# Altium PCB B0621_T01_V1.0.PcbDoc (part 2 of 2)
Units mm, origin at the board's own origin, x right, y up, seen from the top; angles counter-clockwise.
Board outline 42.07 x 60.08 mm, 4 copper layers (Top Layer, MidLayer1, MidLayer2, Bottom Layer); 173 components, 119 nets, 696 pads, 191 vias.
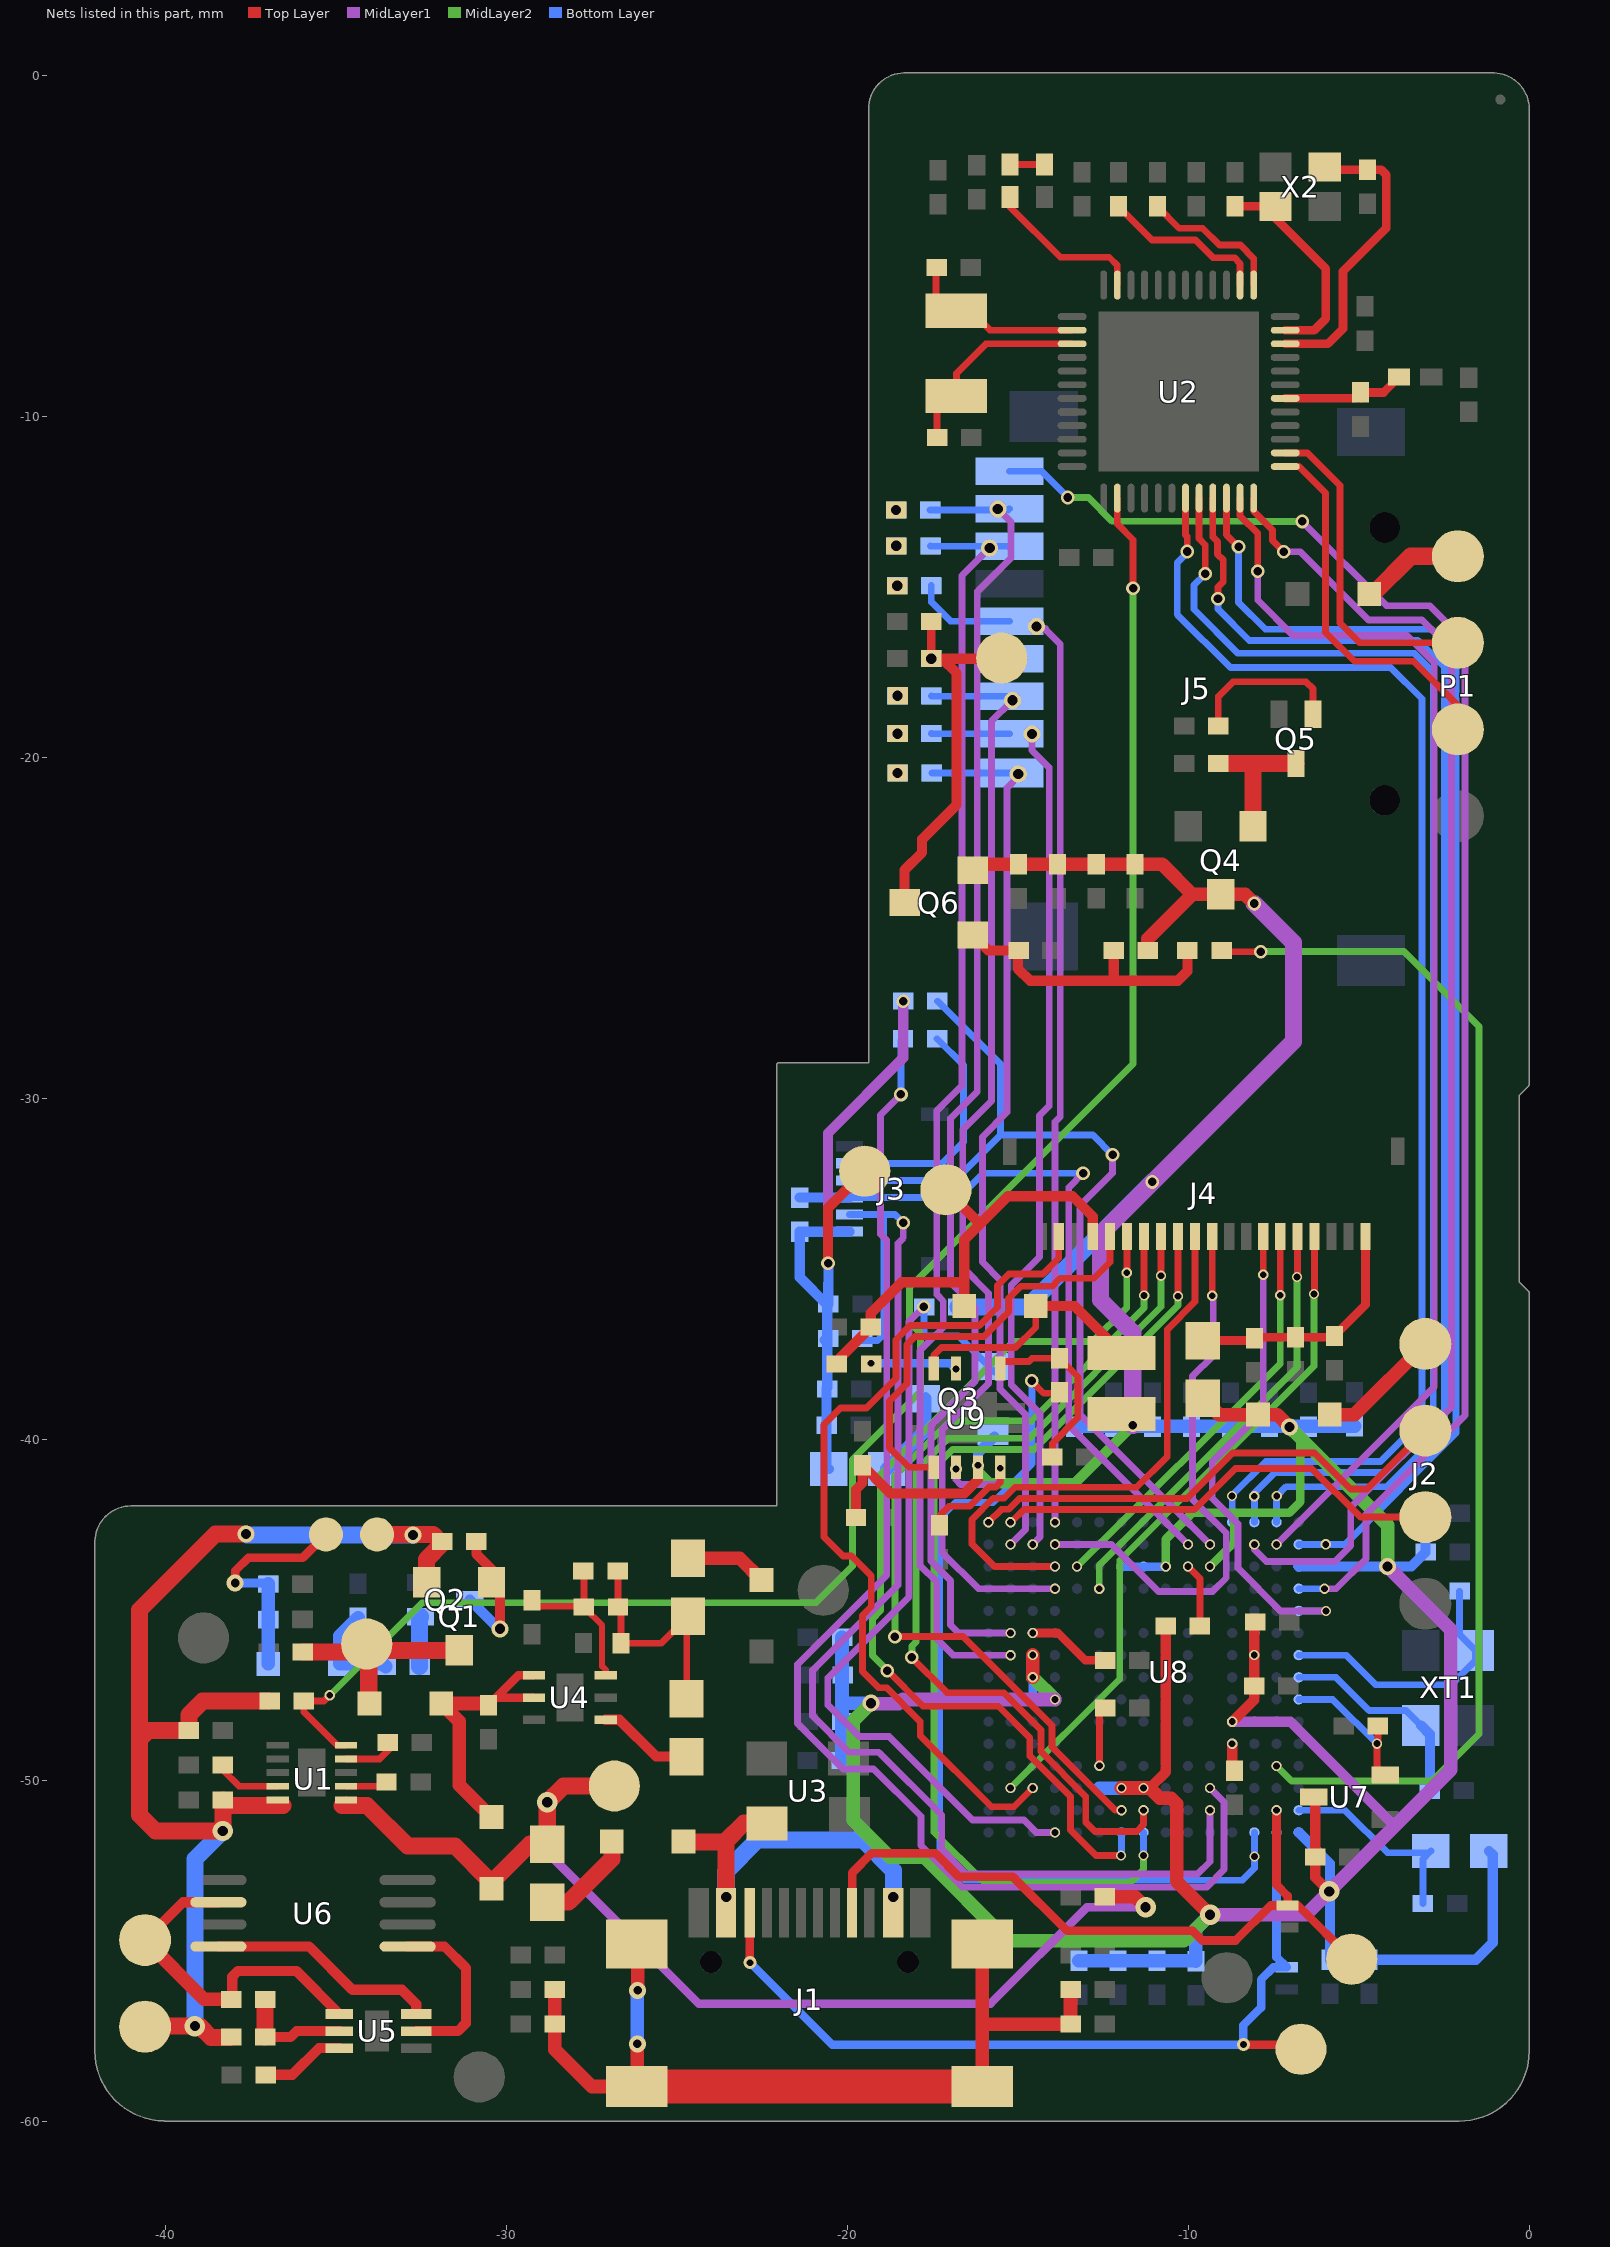
[diagram p4: the nets of this part, all layers, seen from the top]

## Via types
v1: diameter 0.3, hole 0.2, Top Layer to Bottom Layer, 76 vias
v2: diameter 0.5, hole 0.3, Top Layer to Bottom Layer, 56 vias
v3: diameter 0.4, hole 0.25, Top Layer to Bottom Layer, 32 vias
v4: diameter 0.6, hole 0.3, Top Layer to Bottom Layer, 11 vias
v5: diameter 0.5, hole 0.25, Top Layer to Bottom Layer, 6 vias
v6: diameter 0.38, hole 0.2, Top Layer to Bottom Layer, 5 vias
v7: diameter 0.35, hole 0.2, Top Layer to Bottom Layer, 2 vias
v8: diameter 0.5, hole 0.2, Top Layer to Bottom Layer, 2 vias
v9: diameter 0.4, hole 0.3, Top Layer to Bottom Layer, 1 vias

## Nets (pads, with @x,y where several pads share a name; then routed paths per layer and width w, separated by ;. In a path a pad name is that pad's centre, name@x,y a point inside that pad or via, vN(x,y) a via of type N, cw(c..) or ccw(c..) an arc to the next point about the centre after c; other vN are vias at no path point) (continued)
LCD_DB2: J4.10 U8.B12 | length 16.4
  Top Layer w0.2: J4.10@-9.3,-34.049 -9.297,-34.051 v1(-9.297,-35.783)
  MidLayer1 w0.2: v1(-13.911,-43.076) -12.257,-43.076 -10.877,-44.456 -9.285,-44.456 -8.886,-44.058 -8.886,-42.745 -9.873,-41.759 -9.873,-38.142 -9.266,-37.535 -9.266,-35.815 v1(-9.297,-35.783)
LCD_DB3: J4.11 U8.C12 | length 16.7
  Top Layer w0.2: v1(-13.911,-43.727) -15.687,-43.727 -16.342,-43.073 -16.342,-42.343 -15.723,-41.724 -15.41,-41.724 -15.088,-41.402 -11.516,-41.402 -10.616,-40.501 -10.616,-36.769 -9.804,-35.957 -9.804,-34.053 J4.11@-9.8,-34.049
LCD_DB4: J4.12 U8.R8 | length 29.8
  Top Layer w0.2: v1(-10.302,-35.8) -10.302,-34.051 J4.12@-10.3,-34.049
  MidLayer2 w0.2: v1(-11.31,-52.207) -11.31,-52.614 -11.683,-52.987 -15.998,-52.987 -17.464,-51.521 -17.464,-40.841 -16.914,-40.291 -14.524,-40.291 -10.302,-36.07 v1(-10.302,-35.8)
  Bottom Layer w0.2: U8.R8@-11.312,-51.527 -11.312,-52.205 v1(-11.31,-52.207)
LCD_DB5: J4.13 U8.P8 | length 27
  Top Layer w0.2: v3@-18.117,-46.395 -17.084,-47.428 -15.42,-47.428 -14.324,-48.524 -14.324,-49.153 -13.009,-50.468 -13.009,-51.22 -12.733,-51.496 -11.512,-51.496 -11.312,-51.296 v1(-11.312,-50.876) ; J4.13@-10.8,-34.049 -10.798,-34.05 v1(-10.798,-35.198)
  MidLayer2 w0.2: v3(-18.107,-46.385) -18.107,-46.058 -17.991,-45.942 -17.991,-40.908 -17.049,-39.966 -14.658,-39.966 -10.798,-36.106 v1(-10.798,-35.198)
LCD_DB6: J4.14 U8.P9 | length 25.4
  Top Layer w0.2: v3@-18.635,-45.813 v3@-18.605,-45.813 ; v3(-18.605,-45.783) -16.605,-45.783 -13.999,-48.389 -13.999,-49.018 -12.139,-50.878 v1(-11.961,-50.878) ; J4.14@-11.3,-34.049 -11.3,-35.768 v1(-11.295,-35.773)
  MidLayer2 w0.2: v3@-18.635,-45.813 v3(-18.605,-45.783) -18.605,-41.063 -16.997,-39.455 -14.607,-39.455 -11.295,-36.143 v1(-11.295,-35.773)
LCD_DB7: J4.15 U8.R9 | length 28
  Top Layer w0.2: v3(-18.829,-46.779) -17.783,-47.825 -15.574,-47.825 -14.649,-48.75 -14.649,-49.287 -13.459,-50.477 -13.459,-51.454 -12.706,-52.207 v1(-11.971,-52.207) ; v1(-11.803,-35.107) -11.8,-35.104 J4.15@-11.8,-34.049
  MidLayer2 w0.2: v3(-18.829,-46.779) -19.268,-46.341 -19.268,-45.259 -19.027,-45.019 -19.027,-41.026 -15.128,-37.126 -12.804,-37.126 -11.803,-36.125 v1(-11.803,-35.107)
  Bottom Layer w0.2: v1(-11.971,-52.207) -11.962,-52.198 U8.R9@-11.962,-51.527
LCD_FMARK: J4.19 U8.N13 | length 25.8
  Top Layer w0.2: v1(-14.562,-50.226) -15.109,-50.774 -15.777,-50.774 -17.863,-48.688 -17.863,-48.273 -18.857,-47.28 -19.083,-47.28 -19.554,-46.809 -19.554,-45.16 -19.301,-44.907 -19.301,-43.996 -19.88,-43.416 -20.125,-43.416 -20.684,-42.857 -20.684,-39.557 -20.201,-39.074 -19.436,-39.074 -18.578,-38.215 -18.578,-37.074 -18.159,-36.656 -16.13,-36.656 -15.596,-36.122 -15.596,-35.481 -15.265,-35.15 -14.268,-35.15 -13.8,-34.682 J4.19@-13.8,-34.049
LCD_RD: J4.5 U8.D10 | length 12.7
  Top Layer w0.2: v1(-6.81,-35.233) -6.8,-35.222 J4.5@-6.8,-34.049
  MidLayer2 w0.2: v1(-12.612,-44.377) -12.612,-43.692 -6.81,-37.89 v1(-6.81,-35.233)
LCD_RES: J4.7 U8.E1 | length 14.6
  Top Layer w0.2: v1(-7.803,-35.17) -7.803,-34.052 J4.7@-7.8,-34.049
  MidLayer1 w0.2: v1(-7.803,-35.17) -7.803,-39.162 -9.299,-40.657 -9.299,-41.717 -8.544,-42.473 -8.544,-43.777 -7.291,-45.03 v1(-5.958,-45.03)
  Bottom Layer w0.2: U8.E1@-6.762,-45.027 -5.961,-45.027 v1(-5.958,-45.03)
LCD_RS: J4.4 U8.N14 | length 19.9
  Top Layer w0.2: v1(-6.31,-35.731) -6.3,-35.72 J4.4@-6.3,-34.049
  MidLayer2 w0.2: v1(-15.212,-50.226) -12.011,-47.025 -12.011,-43.55 -6.31,-37.85 v1(-6.31,-35.731)
LCD_WR: J4.6 U8.C11 | length 12.1
  Top Layer w0.2: v1(-7.301,-35.771) -7.301,-34.05 J4.6@-7.3,-34.049
  MidLayer2 w0.2: v1(-13.262,-43.727) -7.301,-37.767 v1(-7.301,-35.771)
LEDA: C73.2 D8.2 J4.17 R41.2 T16.1 | length 13.6
  Top Layer w0.3: R41.2@-20.414,-37.813 -19.312,-36.71 C73.2@-19.312,-36.703 -19.312,-36.293 -18.409,-35.39 -16.573,-35.39 ; T16.1@-17.109,-32.678 -16.115,-33.673 -16.115,-33.687 ; D8.2@-16.573,-36.081 -16.573,-35.39 ; J4.17@-12.8,-34.049 -12.8,-33.46 -13.397,-32.864 -15.292,-32.864 -16.115,-33.687 ; -16.573,-35.39 -16.573,-34.146 -16.115,-33.687
LEDK: J4.16 U9.1 | length 12.7
  Top Layer w0.2: U9.1@-17.468,-40.815 -18.199,-40.815 -18.767,-40.247 -18.767,-38.869 -18.253,-38.354 -18.253,-37.213 -18.021,-36.981 -15.996,-36.981 -15.271,-36.256 -15.271,-35.86 -14.917,-35.506 -14,-35.506 -13.765,-35.271 -12.769,-35.271 -12.3,-34.802 J4.16@-12.3,-34.049
NetBT1_2: BT1.2 C21.1 U5.4 U6.2 | length 10.3
  Top Layer w0.2: C21.1@-38.079,-56.426 C21.1@-38.041,-56.426
  Top Layer w0.3: BT1.2@-40.602,-54.686 -39.489,-53.574 U6.2@-38.449,-53.574 ; C21.1@-38.041,-56.426 -38.041,-55.755 -37.874,-55.588 -36.17,-55.588 U5.4@-34.905,-56.853
  Top Layer w0.4: BT1.2@-40.602,-54.686 -38.863,-56.425 C21.1@-38.079,-56.425
NetC3_2: C3.2 D1.1 K1.2 R5.2 | length 6.8
  Top Layer w0.25: v5(-37.959,-44.21) -37.959,-43.857 -37.572,-43.469 -35.977,-43.469 K1.2@-35.295,-42.786
  Bottom Layer w0.25: v5(-37.959,-44.21) -37.011,-44.21 R5.2@-36.987,-44.234
  Bottom Layer w0.4: D1.1@-36.987,-46.584 R5.2@-36.987,-44.234
NetC4_2: C4.2 C8.2 J1.0 R6.2 R11.2 | length 26.7
  Top Layer w0.4: R6.2@-28.583,-56.134 C4.2@-28.583,-57.15 -28.583,-57.896 -27.499,-58.98 J1.0@-26.181,-58.98 -26.163,-58.962 v5(-26.163,-57.73) ; J1.0@-26.181,-54.8 -26.154,-54.827 v5(-26.154,-56.158) ; J1.0@-16.041,-58.98 -16.041,-57.152 ; J1.0@-16.041,-54.8 -16.041,-57.152 ; C8.2@-13.454,-56.134 R11.2@-13.454,-57.15 -16.039,-57.15 -16.041,-57.152
  Top Layer w1: J1.0@-26.181,-58.98 J1.0@-16.041,-58.98
  Bottom Layer w0.4: v5(-26.163,-57.73) -26.163,-56.166 v5(-26.154,-56.158)
NetC13_2: C13.2 D2.2 D3.2 U4.4 U4.5 | length 8.5
  Top Layer w0.25: U4.5@-29.189,-47.572 -30.305,-47.572 C13.2@-30.531,-47.798 -29.655,-46.922 U4.4@-29.189,-46.922
  Top Layer w0.4: C13.2@-30.531,-47.798 -30.586,-47.743 D2.2@-31.914,-47.743 -31.387,-48.27 -31.387,-50.134 D3.2@-30.442,-51.079
NetC16_1: C16.1 L3.1 U2.30 | length 3.7
  Top Layer w0.254: U2.30@-7.156,-9.46 -5.116,-9.46 C16.1@-5.03,-9.375 ; C16.1@-4.94,-9.457 -4.944,-9.46 C16.1@-5.03,-9.375 ; L3.1@-3.824,-8.837 -4.274,-9.287 C16.1@-4.942,-9.287 C16.1@-5.03,-9.375
NetC21_2: C21.2 R17.1 U5.5 | length 3.4
  Top Layer w0.3: R17.1@-37.079,-57.531 -36.335,-57.531 -36.157,-57.353 U5.5@-34.905,-57.353
  Top Layer w0.5: R17.1@-37.079,-57.531 -37.079,-56.464 C21.2@-37.041,-56.426
NetC22_1: C22.1 C23.1 FB2.2 L4.1 R19.1 | length 6.8
  Top Layer w0.2: C22.1@-26.741,-43.853 -26.729,-43.866 R19.1@-26.729,-44.92 -26.641,-45.008 C23.1@-26.641,-45.98 -25.47,-45.98 FB2.2@-24.714,-45.224 ; L4.1@-24.714,-47.6 FB2.2@-24.714,-45.224 ; FB2.2@-24.676,-45.186 FB2.2@-24.714,-45.224
NetC22_2: C22.2 R18.2 R19.2 U4.3 | length 4.9
  Top Layer w0.18: R19.2@-27.729,-44.92 -27.195,-45.454 -27.195,-46.651 -27.089,-46.757 U4.3@-27.089,-46.922
  Top Layer w0.2: R18.2@-29.248,-44.89 -27.759,-44.89 R19.2@-27.754,-44.895 ; C22.2@-27.742,-43.853 -27.729,-43.866 R19.2@-27.729,-44.92 ; R19.2@-27.754,-44.895 R19.2@-27.729,-44.92 ; R19.2@-27.754,-44.895 R19.2@-27.729,-44.92 ; R19.2@-27.754,-44.895 R19.2@-27.729,-44.92
NetC51_2: C51.2 C52.2 C53.2 J3.6 L6.2 R24.2 R26.2 R27.2 T13.1 | length 22.6
  Top Layer w0.3: v3(-20.567,-34.831) -20.567,-33.205 T13.1@-19.489,-32.128
  MidLayer1 w0.3: v3(-20.567,-34.831) -20.567,-31.01 -18.361,-28.805 v3(-18.361,-27.143)
  Bottom Layer w0.3: R27.2@-20.666,-37.086 R27.2@-20.591,-37.161 ; R27.2@-20.591,-37.098 R27.2@-20.591,-37.161 ; R27.2@-20.591,-37.097 -20.591,-36.095 C53.2@-20.568,-36.072 ; C53.2@-20.587,-36.072 C53.2@-20.587,-36.054 ; C53.2@-20.587,-36.018 C53.2@-20.587,-36.054 ; -20.566,-35.421 -20.566,-36.07 C53.2@-20.568,-36.072 ; v3(-20.567,-34.831) -20.557,-34.84 C53.2@-20.557,-36.022 ; L6.2@-20.548,-40.869 -20.61,-40.807 C51.2@-20.61,-39.582 -20.61,-38.489 -20.591,-38.47 R27.2@-20.591,-37.161 ; J3.6@-19.939,-33.9 -19.944,-33.905 R26.2@-21.398,-33.905 -21.398,-35.243 C53.2@-20.587,-36.054 ; C53.2@-20.587,-36.054 C53.2@-20.568,-36.072
NetC54_1: C54.1 U8.F13 | length 2.5
  Top Layer w0.25: v1(-14.562,-45.677) -13.823,-45.677 -13.018,-46.482 C54.1@-12.438,-46.482
NetC55_1: C55.1 U8.M10 | length 1.8
  Top Layer w0.2: v1(-12.608,-49.573) -12.608,-48.049 C55.1@-12.438,-47.879
NetC59_2: C59.2 R33.2
  other v2: -18.53,-20.449
NetC61_2: C61.2 R34.2
  other v2: -18.528,-19.297
NetC63_1: C63.1 C67.1 C69.1 J4.1 L8.1 | length 7.2
  Top Layer w0.254: L8.1@-9.576,-37.098 -8.121,-37.098 C63.1@-8.052,-37.028 -8.026,-37.003 C67.1@-6.858,-37.003 -5.753,-37.003 C69.1@-5.715,-36.965 -4.8,-36.05 J4.1@-4.8,-34.049
NetC64_2: C64.2 R36.2
  other v2: -18.528,-18.183
NetC66_2: C66.2 R37.2
  other v2: -18.54,-14.958
NetC68_2: C68.2 R38.2
  other v2: -18.569,-13.785
NetC70_2: C70.2 Q6.1 R31.1 R35.2 | length 8.8
  Top Layer w0.3: Q6.1@-16.321,-25.2 -15.867,-25.654 C70.2@-14.978,-25.654 -14.998,-25.674 -14.998,-26.188 -14.64,-26.547 -12.19,-26.547 ; R31.1@-12.184,-25.654 -12.184,-26.54 -12.19,-26.547 ; R35.2@-10.025,-25.654 -10.025,-26.266 -10.306,-26.547 -12.19,-26.547
NetC71_2: C71.2 R39.2
  other v2: -18.571,-12.735
NetC72_1: C72.1 C74.1 C75.1 J5.4 Q6.2 T17.1 | length 13.4
  Top Layer w0.254: v2(-17.537,-17.097) -17.537,-16.009 C74.1@-17.535,-16.007
  Top Layer w0.3: Q6.2@-18.321,-24.25 -18.321,-23.292 -17.809,-22.78 -17.809,-22.393 -16.797,-21.381 -16.797,-17.516 -17.217,-17.097 ; v2(-17.537,-17.097) -17.217,-17.097 ; T17.1@-15.473,-17.078 -15.492,-17.097 -17.217,-17.097
  Bottom Layer w0.254: C75.1@-17.534,-17.097 J5.4@-15.24,-17.097
NetD1_2: D1.2 R8.2 R9.2 | length 2.9
  Bottom Layer w0.4: R8.2@-34.353,-45.229 -34.887,-45.763 D1.2@-34.887,-46.584 -33.622,-46.584 R9.2@-33.545,-46.66
NetD2_1: D2.1 Q1.2 R14.1 T3.1 | length 6.4
  Top Layer w0.5: R14.1@-35.974,-46.228 -34.328,-46.228 T3.1@-34.099,-45.999 T3.1@-34.041,-46.058 ; D2.1@-34.041,-47.676 T3.1@-34.041,-46.058 ; Q1.2@-31.389,-46.185 -33.914,-46.185 T3.1@-34.041,-46.058
NetD4_2: D4.2 FB1.1 | length 2.9
  Top Layer w0.5: FB1.1@-28.804,-53.568 -28.175,-53.568 -26.911,-52.304 D4.2@-26.911,-51.791
NetD7_1: D7.1 FB2.1 | length 2.4
  Top Layer w0.4: FB2.1@-24.676,-43.486 -23.156,-43.486 D7.1@-22.522,-44.12
NetD8_1: D8.1 L7.2 U9.8 | length 7.4
  Top Layer w0.2: U9.8@-17.468,-37.914 -17.468,-37.537 -17.236,-37.306 -15.071,-37.306 -14.473,-36.708 D8.1@-14.473,-36.081
  Top Layer w0.3: D8.1@-14.473,-36.081 -13.342,-36.081 L7.2@-11.963,-37.459
NetD9_1: D9.1 P1.1 | length 2.9
  Top Layer w0.5: D9.1@-4.556,-15.173 -3.474,-14.091 P1.1@-2.093,-14.091
NetD10_1: D10.1 J2.4 | length 3.7
  Top Layer w0.4: D10.1@-5.851,-39.271 -5.12,-39.271 J2.4@-3.048,-37.198
NetJ3_2: J3.2 R25.1 | length 7
  Bottom Layer w0.2: J3.2@-19.939,-31.9 -17.223,-31.9 -16.593,-31.27 -16.593,-29.02 R25.1@-17.369,-28.245
NetL1_2: L1.2 L2.1 | length 1
  Top Layer w0.2: L2.1@-15.227,-2.598 L1.2@-14.211,-2.598
NetL2_2: L2.2 U2.47 | length 4.7
  Top Layer w0.2: L2.2@-15.227,-3.548 -15.227,-3.847 -13.753,-5.321 -12.318,-5.321 -12.081,-5.558 U2.47@-12.081,-6.135
NetL4_2: L4.2 U4.1 | length 2.8
  Top Layer w0.3: U4.1@-27.089,-48.222 -26.69,-48.222 -25.612,-49.301 L4.2@-24.714,-49.301
NetL6_1: L6.1 Q3.2 | length 2.5
  Bottom Layer w0.4: L6.1@-18.848,-40.869 -17.731,-39.752 Q3.2@-17.731,-38.808
NetQ1_1: Q1.1 Q2.2 R7.1 | length 4.1
  Top Layer w0.3: R7.1@-30.882,-42.99 -30.882,-43.359 -30.439,-43.802 Q1.1@-30.439,-44.185 -30.194,-44.43 v2(-30.194,-45.555)
  Bottom Layer w0.3: Q2.2@-31.081,-44.699 -30.225,-45.555 v2(-30.194,-45.555)
NetQ2_1: Q2.1 R9.1 | length 1.5
  Bottom Layer w0.5: R9.1@-32.545,-46.66 -32.545,-45.224 Q2.1@-32.521,-45.199
NetQ4_1: Q4.1 Q5.2 R22.1 | length 4.1
  Top Layer w0.5: R22.1@-9.12,-20.171 -8.08,-20.171 ; Q4.1@-8.1,-22.01 -8.1,-20.19 -8.08,-20.171 ; Q5.2@-6.842,-20.17 -8.08,-20.171
NetQ5_1: Q5.1 R23.1 | length 4.7
  Top Layer w0.2: R23.1@-9.119,-19.077 -9.119,-18.202 -8.69,-17.774 -6.543,-17.774 -6.342,-17.975 Q5.1@-6.342,-18.73
NetR2_2: R2.2 U1.2 | length 1.3
  Top Layer w0.2: U1.2@-34.709,-50.171 R2.2@-33.641,-50.171 ; R2.2@-33.555,-50.171 R2.2@-33.641,-50.171 ; R2.2@-33.52,-50.051 R2.2@-33.641,-50.171
NetR3_2: R3.2 U1.4 | length 1.4
  Top Layer w0.2: U1.4@-34.709,-49.371 -33.72,-49.371 R3.2@-33.415,-49.067
NetR10_2: R10.2 U1.9 | length 2
  Top Layer w0.2: R10.2@-38.319,-49.555 -38.319,-49.703 -37.851,-50.171 U1.9@-36.709,-50.171
NetR16_1: R16.1 U5.6 | length 2.5
  Top Layer w0.3: R16.1@-37.067,-58.636 -36.284,-58.636 -35.501,-57.853 U5.6@-34.905,-57.853
NetR28_2: R28.2 U8.C6 | length 1.9
  Top Layer w0.2: v1(-10.012,-43.727) -9.66,-44.079 R28.2@-9.66,-45.466
NetR29_2: R29.2 U8.L4 | length 0.8
  Top Layer w0.3: v1(-8.714,-48.927) -8.714,-49.647 R29.2@-8.649,-49.711
NetR30_2: R30.2 R32.2 U9.5 | length 5.5
  Top Layer w0.2: U9.5@-15.518,-37.914 -15.518,-37.672 -15.481,-37.708 -14.673,-37.708 -14.584,-37.618 R30.2@-13.779,-37.618 -13.238,-38.16 -13.238,-39.039 -13.245,-39.046 -13.245,-39.369 -13.988,-40.112 R32.2@-13.988,-40.508
NetR40_2: R40.2 U9.2 U9.4 | length 5
  Top Layer w0.2: R40.2@-17.292,-42.512 -17.292,-42.235 -17.018,-41.961 -16.419,-41.961 -15.848,-41.39 -15.646,-41.39 -15.518,-41.262 U9.4@-15.518,-40.815
  MidLayer1 w0.2: v7(-16.818,-40.869) -16.818,-41.182 -16.682,-41.318 -15.631,-41.318 -15.525,-41.212 v1@-15.525,-40.842
  other v1: -15.518,-40.842
NetR41_1: R41.1 U9.7 | length 2.6
  Bottom Layer w0.25: v1(-19.307,-37.762) -16.986,-37.762 v1(-16.818,-37.929)
NetU5_2: U5.2 U6.5 | length 5.1
  Top Layer w0.3: U6.5@-32.899,-54.874 -31.819,-54.874 -31.191,-55.502 -31.191,-57.125 -31.42,-57.353 U5.2@-32.645,-57.353
NetU5_3: U5.3 U6.4 | length 6.8
  Top Layer w0.3: U6.4@-38.449,-54.874 -35.791,-54.874 -34.52,-56.144 -33.068,-56.144 -32.645,-56.568 U5.3@-32.645,-56.853
NRF_RX: U2.20 U8.A3 | length 40.3
  Top Layer w0.2: U2.20@-9.681,-12.385 -9.689,-12.393 -9.689,-13.575 -9.503,-13.761 v3(-9.503,-14.606)
  Bottom Layer w0.2: v3(-9.503,-14.606) -9.834,-14.938 -9.834,-15.646 -8.542,-16.939 -3.363,-16.939 -2.815,-17.486 -2.815,-39.565 -4.223,-40.973 -7.451,-40.973 -8.066,-41.588 v1(-8.066,-41.667) -8.062,-41.671 U8.A3@-8.062,-42.427
NRF_TX: U2.19 U8.A4 | length 40.2
  Top Layer w0.2: U2.19@-10.081,-12.385 -10.081,-13.466 -10.032,-13.516 v3(-10.032,-13.952)
  Bottom Layer w0.2: v3(-10.032,-13.952) -10.032,-13.99 -10.324,-14.283 -10.324,-15.793 -8.765,-17.352 -4.063,-17.352 -3.143,-18.272 -3.143,-39.433 -4.358,-40.648 -7.726,-40.648 -8.714,-41.636 v1(-8.714,-41.657) -8.712,-41.659 U8.A4@-8.712,-42.427
NRST: C44.2 U7.2 U8.J1 | length 4.4
  Top Layer w0.2: C44.2@-4.439,-48.401 -4.439,-48.894 v1(-4.468,-48.923) -4.468,-49.597 U7.2@-4.221,-49.843
  Bottom Layer w0.2: U8.J1@-6.762,-47.627 -5.764,-47.627 v1(-4.468,-48.923)
OSC_IN: C33.1 U8.G1 XT1.3 | length 8.1
  Bottom Layer w0.2: U8.G1@-6.762,-46.327 -5.367,-46.327 -4.497,-47.197 -2.295,-47.197 -1.575,-46.477 XT1.3@-1.575,-46.187 -2.04,-45.722 C33.1@-2.04,-44.45
OSC_OUT: C34.1 U8.H1 XT1.1 | length 6.2
  Bottom Layer w0.2: U8.H1@-6.762,-46.977 -5.667,-46.977 -4.694,-47.95 -3.612,-47.95 XT1.1@-3.175,-48.387
  Bottom Layer w0.3: XT1.1@-3.175,-48.387 -2.913,-48.649 C34.1@-2.913,-50.292
P0.25: C12.2 U2.37 | length 4.2
  Top Layer w0.2: C12.2@-10.909,-3.827 -10.266,-4.47 -9.583,-4.47 -9.088,-4.966 -8.471,-4.966 -8.081,-5.355 U2.37@-8.081,-6.135
P0.26: C14.2 U2.38 | length 4.9
  Top Layer w0.2: C14.2@-12.052,-3.827 -11.066,-4.813 -9.792,-4.813 -9.271,-5.334 -8.649,-5.334 -8.481,-5.501 U2.38@-8.481,-6.135
PG_STA: R13.2 U1.5 U2.14 | length 54.9
  Top Layer w0.2: v1(-35.183,-47.503) -35.356,-47.676 R13.2@-35.949,-47.676 -35.949,-47.977 -34.954,-48.971 U1.5@-34.709,-48.971 ; U2.14@-12.081,-12.385 -12.081,-13.147 -11.621,-13.607 v3(-11.621,-15.035)
  MidLayer2 w0.2: v1(-35.183,-47.503) -32.468,-44.788 -20.921,-44.788 -19.849,-43.716 -19.849,-40.594 -17.851,-38.596 -17.851,-36.896 -18.181,-36.567 -18.181,-35.546 -11.621,-28.986 v3(-11.621,-15.035)
PWM: R30.1 U8.R3 | length 27.4
  Top Layer w0.2: v3(-14.588,-38.282) -14.604,-38.282 -14.242,-38.643 -13.805,-38.643 R30.1@-13.779,-38.618
  Bottom Layer w0.2: v3(-14.588,-38.282) -14.588,-40.714 -15.725,-41.851 -16.829,-41.851 -17.289,-42.311 -17.289,-52.186 -16.547,-52.928 -8.411,-52.928 -8.058,-52.575 v1(-8.058,-52.236) ; v1@-8.062,-52.278 U8.R3@-8.062,-51.527
SBU1: D5.2 J1.A8 T8.1 U8.P2 | length 21.1
  Top Layer w0.254: J1.A8@-19.861,-53.885 -19.861,-52.71 -19.29,-52.139 -17.417,-52.139 -16.732,-52.824 -15.145,-52.824 -13.556,-54.414 -9.874,-54.414 -9.589,-54.699 -8.616,-54.699 -7.585,-53.668 D5.2@-7.087,-53.668 ; v1(-7.412,-50.877) -7.412,-53.064 -7.087,-53.389 D5.2@-7.087,-53.668 ; T8.1@-5.207,-55.245 -6.784,-53.668 D5.2@-7.087,-53.668
SBU2: D6.2 J1.B8 T9.1 U8.R2 | length 25.8
  Top Layer w0.25: J1.B8@-22.861,-53.885 -22.861,-55.363 v6@-22.856,-55.367 ; v6(-8.381,-57.751) -6.829,-57.751 T9.1@-6.693,-57.887
  Bottom Layer w0.25: v6(-22.852,-55.347) -20.448,-57.751 v6(-8.381,-57.751) -8.381,-57.18 -7.864,-56.663 -7.864,-55.844 -7.504,-55.484 D6.2@-7.112,-55.484 -7.412,-55.184 U8.R2@-7.412,-51.527
SD_CD: J5.9 U8.D1 | length 45.9
  MidLayer1 w0.2: v3(-6.662,-13.07) -4.191,-15.541 -2.926,-15.541 -1.884,-16.583 -1.884,-39.29 -4.791,-42.197 -4.791,-43.508 -5.661,-44.378 v1(-6.004,-44.378)
  MidLayer2 w0.2: v3(-13.532,-12.368) -12.93,-12.368 -12.232,-13.067 -8.254,-13.067 -8.251,-13.07 v3(-6.662,-13.07)
  Bottom Layer w0.2: J5.9@-15.24,-11.597 -14.303,-11.597 v3(-13.532,-12.368) ; U8.D1@-6.762,-44.377 -6.006,-44.377 v1(-6.004,-44.378)
SD_CLK: J5.5 R37.1 U8.A12 | length 29.5
  MidLayer1 w0.2: -14.19,-16.208 -14.209,-16.227 -13.754,-16.681 -13.754,-30.524 -13.912,-30.681 v1(-13.912,-42.427)
  Bottom Layer w0.2: R37.1@-17.539,-14.953 -17.539,-15.438 -16.98,-15.997 J5.5@-15.24,-15.997
  other v2: -14.453,-16.156
SD_CMD: J5.3 R36.1 U8.D12 | length 32.5
  MidLayer1 w0.2: v2(-15.156,-18.316) -15.77,-18.931 -15.77,-30.07 -16.614,-30.914 -16.614,-34.955 -15.859,-35.711 -15.859,-38.36 -17.218,-39.719 -17.218,-43.311 -16.153,-44.377 v1(-13.912,-44.377)
  Bottom Layer w0.2: R36.1@-17.534,-18.186 -17.523,-18.197 J5.3@-15.24,-18.197
SD_DATA0: J5.7 R38.1 U8.G14 | length 37.9
  MidLayer1 w0.2: v2(-15.825,-13.847) -16.64,-14.662 -16.64,-29.617 -17.377,-30.355 -17.377,-35.753 -17.188,-35.943 -17.188,-36.712 -17.868,-37.393 -17.868,-43.697 -17.377,-44.187 -17.377,-45.849 -16.9,-46.327 v1(-15.212,-46.327)
  Bottom Layer w0.2: R38.1@-17.559,-13.792 -17.555,-13.797 J5.7@-15.24,-13.797
SD_DATA1: J5.8 R39.1 U8.F14 | length 38.9
  MidLayer1 w0.2: v2(-15.586,-12.702) -15.203,-13.085 -15.203,-14.141 -16.189,-15.127 -16.189,-29.796 -16.973,-30.58 -16.973,-35.402 -16.254,-36.121 -16.254,-38.296 -17.543,-39.585 -17.543,-43.562 -16.973,-44.132 -16.973,-45.438 -16.734,-45.677 v1(-15.212,-45.677)
  Bottom Layer w0.2: R39.1@-17.572,-12.738 -15.281,-12.738 J5.8@-15.24,-12.697
SD_DATA2: J5.1 R33.1 U8.B14 | length 26
  MidLayer1 w0.2: v1(-15.212,-43.077) -14.776,-42.641 -14.776,-39.263 -15.519,-38.521 -15.519,-35.32 -16.04,-34.798 -16.04,-31.123 -15.317,-30.4 -15.317,-20.884 -14.977,-20.544 -14.988,-20.533 v2(-14.988,-20.482)
  Bottom Layer w0.2: R33.1@-17.521,-20.447 J5.1@-15.24,-20.447
SD_DATA3: J5.2 R34.1 U8.B13 | length 27.2
  MidLayer1 w0.2: v2(-14.587,-19.305) -14.587,-19.783 -14.079,-20.292 -14.079,-30.216 -14.361,-30.498 -14.361,-34.65 -15.194,-35.484 -15.194,-38.386 -14.346,-39.234 -14.346,-42.861 v1(-14.562,-43.077)
  Bottom Layer w0.2: R34.1@-17.534,-19.291 -17.528,-19.297 J5.2@-15.24,-19.297
SD_ON: R35.1 U8.M2 | length 35.9
  Top Layer w0.2: R35.1@-9.025,-25.654 -8.984,-25.695 v3(-7.874,-25.695)
  MidLayer2 w0.2: v3@-7.874,-25.688 -3.673,-25.688 -1.471,-27.889 -1.471,-48.639 -2.854,-50.021 -6.967,-50.021 v1(-7.412,-49.577)
SPI_MISO: U2.23 U8.B2 | length 36.9
  Top Layer w0.2: U2.23@-8.481,-12.385 -8.481,-12.904 -7.96,-13.425 v3(-7.96,-14.531)
  MidLayer1 w0.2: v3(-7.96,-14.531) -7.96,-15.382 -6.929,-16.414 -3.582,-16.414 -2.787,-17.209 -2.787,-38.445 -2.783,-38.448 v1(-7.412,-43.077)
SPI_MOSI: U2.24 U8.B3 | length 38.9
  Top Layer w0.2: U2.24@-8.081,-12.385 -8.081,-12.768 -7.531,-13.319 -7.531,-13.627 v3(-7.2,-13.957)
  MidLayer1 w0.2: v1(-8.062,-43.077) -8.062,-43.229 -7.711,-43.579 -5.697,-43.579 -5.236,-43.119 -5.236,-42 -2.278,-39.042 -2.278,-16.83 -3.143,-15.965 -4.713,-15.965 -6.72,-13.957 v3(-7.2,-13.957)
SPI_NSS: U2.22 U8.B1 | length 39
  Top Layer w0.2: U2.22@-8.881,-12.385 -8.881,-13.463 v3(-8.527,-13.817)
  Bottom Layer w0.2: v3(-8.527,-13.817) -8.527,-15.444 -7.738,-16.233 -2.859,-16.233 -2.144,-16.949 -2.144,-39.812 -5.408,-43.076 v1(-5.969,-43.076) ; U8.B1@-6.762,-43.077 v1(-5.969,-43.076)
SPI_SCK: U2.21 U8.A2 | length 39.7
  Top Layer w0.2: U2.21@-9.281,-12.385 -9.281,-13.522 -9.139,-13.664 -9.139,-14.035 -8.973,-14.201 -8.973,-14.834 -9.129,-14.99 v3(-9.129,-15.343)
  Bottom Layer w0.2: v3(-9.129,-15.343) -9.129,-15.642 -8.212,-16.558 -3.267,-16.558 -2.48,-17.345 -2.48,-39.689 -4.176,-41.385 -7.128,-41.385 v1(-7.404,-41.66) -7.412,-41.669 U8.A2@-7.412,-42.427
ST_3V3: C24.1 C25.1 C26.1 C27.1 C28.1 C29.1 C30.1 C31.1 C32.2 C35.1 C36.1 C38.1 C39.1 C40.1 C41.1 C42.1 C43.1 C45.1 C46.1 C47.1 C48.1 C49.1 C50.1 C56.2 C57.2 C58.2 C60.2 C62.2 C65.2 D10.2 L5.1 L7.1 L8.2 Q3.3 Q4.2 Q6.3 R21.2 R28.1 R31.2 U7.3 U8.C1 U8.C5 U8.C7 U8.C8 U8.C9 U8.F3 U8.G3 U8.G13 U8.H13 U8.J12 U8.J13 U8.K4 U8.N8 U8.N9 U8.N10 U8.R1 U9.3 | length 167.4
  Top Layer w0.3: C56.2@-19.748,-42.288 -19.748,-41.468 -19.558,-41.278 C57.2@-19.558,-40.759 -18.857,-41.46 -18.857,-41.468 -18.74,-41.586 -16.575,-41.586 -16.168,-41.179 U9.3@-16.168,-40.815 ; -11.128,-50.224 -10.66,-49.756 R28.1@-10.66,-45.466 ; v1(-8.713,-48.277) -8.068,-47.632 C38.1@-8.068,-47.226 -8.068,-46.329 v1(-8.064,-46.326) -8.064,-45.38 C41.1@-8.04,-45.356 ; U7.3@-6.321,-50.493 -6.275,-50.539 C32.2@-6.275,-52.242 -6.275,-52.848 v4(-5.865,-53.257)
  Top Layer w0.4: Q6.3@-16.321,-23.3 -16.143,-23.122 C58.2@-14.986,-23.122 C60.2@-13.843,-23.122 C62.2@-12.7,-23.122 C65.2@-11.557,-23.122 -10.771,-23.122 -9.882,-24.01 ; v1(-14.562,-46.977) v1@-14.562,-46.324 ; v1@-11.958,-50.224 -11.128,-50.224 -10.83,-50.522 -10.508,-50.522 -10.343,-50.686 -10.343,-52.957 v4(-9.361,-53.939) ; R31.2@-11.184,-25.654 -11.184,-25.312 -9.882,-24.01 ; L8.2@-9.576,-38.798 -9.103,-39.271 D10.2@-7.951,-39.271 -7.393,-39.271 v2(-7.031,-39.633) ; v3(-8.067,-24.277) -8.334,-24.01 Q4.2@-9.05,-24.01 -9.882,-24.01
  MidLayer1 w0.3: v1(-8.713,-48.277) -7.003,-48.277 -3.951,-51.328 -3.951,-51.344
  MidLayer1 w0.4: v2(-19.307,-47.735) -19.288,-47.755 -18.502,-47.755 -18.374,-47.627 v1(-13.912,-47.627) ; v4(-9.361,-53.939) -6.547,-53.939 v4(-5.865,-53.257) -3.951,-51.344 -2.297,-49.69 -2.297,-45.585 v2(-4.153,-43.729)
  MidLayer1 w0.5: v3(-11.629,-39.588) -11.629,-36.859 -12.576,-35.911 -12.576,-33.981 -6.92,-28.325 -6.92,-25.425 v3(-8.067,-24.277)
  MidLayer2 w0.25: v1(-10.662,-43.727) -10.662,-42.927 -9.885,-42.15 -8.646,-42.15 ; v1(-9.362,-43.727) -8.646,-43.011 -8.646,-42.15 ; -6.714,-39.95 -6.714,-41.83 -7.034,-42.15 -8.646,-42.15
  MidLayer2 w0.3: v7(-16.171,-40.758) -16.16,-40.769 -16.16,-40.951 -15.826,-41.285 -13.327,-41.285 v3(-11.629,-39.588)
  MidLayer2 w0.4: v2(-19.307,-47.735) -19.828,-48.256 -19.828,-51.178 -18.756,-52.249 -17.746,-52.249 -15.288,-54.708 -10.13,-54.708 v4(-9.361,-53.939) ; v1(-14.562,-46.977) v1(-13.912,-47.627) ; v2(-7.031,-39.633) -6.714,-39.95 ; -6.714,-39.95 -4.153,-42.511 v2(-4.153,-43.729)
  Bottom Layer w0.25: U8.H13@-14.563,-46.976 v1(-14.563,-46.323) ; U8.J13@-14.562,-47.627 v1(-14.562,-46.977) v1(-13.912,-47.627) ; U8.C9@-11.962,-43.727 U8.C8@-11.312,-43.727 v1(-10.662,-43.727) ; U8.G3@-8.062,-46.326 U8.F3@-8.062,-45.677
  Bottom Layer w0.3: v7(-16.171,-40.758) -16.171,-40.405 Q3.3@-15.688,-39.922 ; U8.R1@-6.762,-51.527 -5.842,-52.447 v4@-5.842,-53.257 ; U8.C1@-6.762,-43.727 -3.46,-43.727 C27.1@-3.04,-43.307 C30.1@-3.04,-42.164 ; v4(-5.865,-53.257) -5.842,-53.281 C45.1@-5.842,-55.261 C48.1@-4.699,-55.261 -1.568,-55.261 -1.069,-54.762 -1.069,-52.183 L5.1@-1.182,-52.07
  Bottom Layer w0.4: C49.1@-20.17,-49.419 -20.17,-48.287 C39.1@-20.157,-48.275 -20.157,-47.729 ; C46.1@-20.157,-45.802 -20.157,-47.729 ; v2(-19.307,-47.735) -20.151,-47.735 -20.157,-47.729 ; C25.1@-13.335,-39.624 -13.328,-39.617 C40.1@-5.126,-39.617 ; C24.1@-13.208,-55.292 C26.1@-12.065,-55.292 C35.1@-10.922,-55.292 C29.1@-9.777,-55.292 ; U8.N10@-12.612,-50.227 v1(-11.96,-50.226) ; v1(-11.96,-50.226) v1(-11.312,-50.227) ; C29.1@-9.777,-55.299 C29.1@-9.777,-55.292 ; v4(-9.361,-53.939) -9.777,-54.355 C29.1@-9.777,-55.292
  Bottom Layer w0.5: R21.2@-16.75,-36.117 -14.731,-36.117 v3(-11.061,-32.446)
SWDCLK: J2.2 U8.A14 | length 13.4
  Top Layer w0.2: v1(-15.212,-42.427) -15.194,-42.427 -14.819,-42.052 -9.823,-42.052 -8.62,-40.849 -6.379,-40.849 -4.95,-42.278 J2.2@-3.048,-42.278
SWDCLK_NORDIC: P1.3 U2.25 | length 11.1
  Top Layer w0.2: U2.25@-7.156,-11.46 -6.748,-11.46 -5.971,-12.237 -5.971,-16.322 -5.121,-17.172 -3.396,-17.172 -2.093,-18.475 P1.3@-2.093,-19.171
SWDIO: J2.3 U8.A15 | length 14.8
  Top Layer w0.2: v1(-15.862,-42.427) -15.484,-42.049 -15.275,-42.049 -14.953,-41.727 -10.034,-41.727 -8.706,-40.399 -6.293,-40.399 -5.243,-41.45 -4.759,-41.45 J2.3@-3.048,-39.738
SWDIO_NORDIC: P1.2 U2.26 | length 9.7
  Top Layer w0.2: U2.26@-7.156,-11.06 -6.502,-11.06 -5.552,-12.011 -5.552,-16.047 -4.967,-16.631 P1.2@-2.093,-16.631
TCH_EINT: R25.2 U8.N5 | length 39.3
  MidLayer1 w0.2: v3(-18.428,-29.879) -19.028,-30.479 -19.028,-33.977 -18.843,-34.162 -18.843,-43.975 -21.464,-46.595 -21.464,-48.333 -20.133,-49.664 -19.229,-49.664 -17.842,-51.052 -17.842,-51.911 -16.616,-53.137 -9.47,-53.137 -8.95,-52.617 -8.95,-50.638 v1(-9.362,-50.226)
  Bottom Layer w0.2: v3(-18.428,-29.879) -18.428,-28.304 R25.2@-18.369,-28.245
TCH_RST: J3.5 R27.1 U8.P5 | length 37.4
  MidLayer1 w0.2: v3@-18.439,-33.662 v3@-18.409,-33.692 ; v3(-18.359,-33.641) -18.359,-34.085 -18.518,-34.244 -18.518,-44.274 -21.02,-46.775 -21.02,-48.103 -19.946,-49.176 -19.077,-49.176 -17.23,-51.023 -17.23,-52.034 -16.514,-52.751 -9.726,-52.751 -9.362,-52.387 v1(-9.362,-50.878)
  Bottom Layer w0.2: J3.5@-19.939,-33.4 -18.932,-33.4 -18.6,-33.4 v3(-18.359,-33.641) ; R27.1@-19.591,-37.097 -19.115,-37.097 -18.933,-36.915 -18.933,-33.401
TCH_SCL: J3.4 R26.1 U8.B6 | length 21.1
  MidLayer1 w0.2: v3(-13.087,-32.189) -13.505,-32.607 -13.505,-39.584 v1(-10.012,-43.077)
  Bottom Layer w0.2: J3.4@-19.939,-32.9 -16.722,-32.9 -16.01,-32.189 v3(-13.087,-32.189)
  Bottom Layer w0.3: R26.1@-21.398,-32.905 -21.393,-32.9 J3.4@-19.939,-32.9
TCH_SDA: J3.3 R24.1 U8.B5 | length 26.6
  MidLayer1 w0.2: v3(-12.221,-31.649) -12.221,-32.189 -13.175,-33.143 -13.175,-39.264 v1(-9.362,-43.077)
  Bottom Layer w0.2: J3.3@-19.939,-32.4 -16.842,-32.4 -15.512,-31.07 ; R24.1@-17.361,-27.143 -15.512,-28.992 -15.512,-31.07 ; v3(-12.221,-31.649) -12.8,-31.07 -15.512,-31.07
TOUCH_ON: Q3.1 R21.1 U8.R12 | length 24.4
  MidLayer1 w0.2: v3(-17.756,-36.107) -18.193,-36.544 -18.193,-44.615 -20.574,-46.996 -20.574,-47.789 -19.648,-48.714 -18.773,-48.714 -16.325,-51.162 -14.822,-51.162 -14.458,-51.526 v1(-13.912,-51.526)
  Bottom Layer w0.2: R21.1@-17.75,-36.117 -17.75,-36.966 -16.744,-36.966 Q3.1@-15.688,-38.022
VBAT: BT1.1 C9.2 K1.1 Q1.3 R7.2 R12.1 R13.1 R17.2 U1.10 | length 37.1
  Top Layer w0.5: BT1.1@-40.602,-57.226 -40.584,-57.208 v4(-39.139,-57.208) ; v4@-39.139,-57.226 -38.982,-57.226 -38.667,-57.542 R17.2@-38.09,-57.542 ; v2(-37.641,-42.77) -38.532,-42.77 -40.768,-45.006 -40.768,-48.802 ; R13.1@-36.949,-47.676 -38.916,-47.676 -39.319,-48.079 R12.1@-39.319,-48.539 -40.505,-48.539 -40.768,-48.802 ; -36.557,-50.74 -38.151,-50.74 C9.2@-38.319,-50.571 v4(-38.32,-51.484) -40.295,-51.484 -40.768,-51.012 -40.768,-48.802 ; K1.1@-33.795,-42.786 -32.15,-42.786 -31.946,-42.99 R7.2@-31.882,-42.99 -31.882,-43.054 -32.353,-43.525 -32.353,-44.171 Q1.3@-32.339,-44.185
  Bottom Layer w0.5: v4(-39.139,-57.208) -39.139,-52.304 v4(-38.32,-51.484) ; v2(-37.641,-42.77) -37.614,-42.797 v2@-32.688,-42.797
  other v2: -32.739,-42.801
VBUS: D4.1 J1.A4 J1.A9 J1.B4 J1.B9 U3.4 | length 11.8
  Top Layer w0.2: J1.B4@-18.811,-53.885 J1.A9@-18.511,-53.885
  Top Layer w0.5: D4.1@-24.811,-51.791 -24.796,-51.806 -23.567,-51.806 ; J1.A4@-23.567,-53.417 -23.567,-51.806 ; U3.4@-22.356,-51.264 -22.367,-51.253 -23.035,-51.253 -23.567,-51.785 -23.567,-51.806
  Bottom Layer w0.5: v2(-23.555,-53.417) -23.555,-52.664 -22.642,-51.751 -19.546,-51.751 -18.648,-52.649 -18.652,-52.653 v2(-18.652,-53.424)
VCC: D3.1 FB1.2 R20.1 T11.1 U1.1 | length 34.6
  Top Layer w0.2: -34.821,-50.735 -34.709,-50.623 U1.1@-34.709,-50.571
  Top Layer w0.4: R20.1@-12.445,-53.414 -11.56,-53.414 v4(-11.252,-53.722)
  Top Layer w0.5: -34.821,-50.735 -34.09,-50.735 -32.896,-51.929 -31.514,-51.929 D3.1@-30.442,-53.001 ; D3.1@-30.442,-53.179 D3.1@-30.442,-53.001 ; T11.1@-26.835,-50.165 -26.838,-50.162 -28.322,-50.162 v4(-28.804,-50.644) FB1.2@-28.804,-51.868 -29.312,-51.868 -30.442,-52.998 D3.1@-30.442,-53.001
  MidLayer1 w0.25: v4(-28.804,-50.644) -28.804,-52.108 -24.366,-56.546 -15.8,-56.546 -12.975,-53.722 v4(-11.252,-53.722)
VREF+: C37.2 L5.2 U8.P1 | length 6
  Bottom Layer w0.2: U8.P1@-6.762,-50.877 -5.4,-50.877 -4.155,-52.122 L5.2@-2.934,-52.122 ; C37.2@-3.116,-53.611 -3.116,-52.304 L5.2@-2.934,-52.122 ; L5.2@-2.882,-52.07 L5.2@-2.934,-52.122
XC1: C19.1 U2.34 X2.1 | length 8.8
  Top Layer w0.254: U2.34@-7.156,-7.86 -5.905,-7.86 -5.461,-7.417 -5.461,-5.734 -4.189,-4.463 -4.189,-2.9 -4.338,-2.751 C19.1@-4.737,-2.751 -5.918,-2.751 X2.1@-5.993,-2.676
XC2: C18.2 U2.35 X2.3 | length 6.4
  Top Layer w0.254: C18.2@-8.623,-3.827 -7.444,-3.827 X2.3@-7.443,-3.826 -7.443,-4.18 -5.969,-5.654 -5.969,-7.125 -6.305,-7.46 U2.35@-7.156,-7.46
XL1: C1.1 U2.2 X1.1 | length 5.3
  Top Layer w0.2: C1.1@-17.378,-5.626 -17.399,-5.647 -17.399,-6.528 -17.036,-6.891 X1.1@-16.802,-6.891 -16.388,-6.891 -15.819,-7.46 U2.2@-13.406,-7.46
XL2: C2.1 U2.3 X1.2 | length 6
  Top Layer w0.2: C2.1@-17.366,-10.605 -17.374,-10.596 -17.374,-9.677 -17.087,-9.391 X1.2@-16.802,-9.391 -16.802,-8.725 -15.938,-7.86 U2.3@-13.406,-7.86
pads on no net: J1. J4.18 J5.0 U1. U1.6 U2.4 U2.5 U2.6 U2.8 U2.9 U2.10 U2.11 U2.16 U2.17 U2.27 U2.28 U2.29 U2.32 U2.39 U2.40 U2.41 U2.42 U2.43 U2.44 U5. U5.1 U6.1 U6.3 U6.6 U6.8 U8. U8.A1 U8.A5 U8.A6 U8.A7 U8.A8 U8.A9 U8.A10 U8.A13 U8.B4 U8.B7 U8.B8 U8.B9 U8.B10 U8.B11 U8.B15 U8.C2 U8.C3 U8.C4 U8.C10 U8.C13 U8.C14 U8.C15 U8.D2 U8.D3 U8.D4 U8.D11 U8.D13 U8.D14 U8.D15 U8.E2 U8.E3 U8.E4 U8.E12 U8.E13 U8.E14 U8.E15 U8.F1 U8.F4 U8.F15 U8.G4 U8.G15 U8.H2 U8.H3 U8.H4 U8.H14 U8.H15 U8.J2 U8.J3 U8.J4 U8.J14 U8.J15 U8.K1 U8.K2 U8.K3 U8.K12 U8.K13 U8.K14 U8.K15 U8.L1 U8.L2 U8.L3 U8.L12 U8.L13 U8.L15 U8.M3 U8.M4 U8.M5 U8.M6 U8.M7 U8.M11 U8.M12 U8.M13 U8.M15 U8.N2 U8.N3 U8.N4 U8.N6 U8.N7 U8.N11 U8.N12 U8.N15 U8.P3 U8.P4 U8.P6 U8.P7 U8.P10 U8.P11 U8.P12 U8.P14 U8.P15 U8.R4 U8.R5 U8.R6 U8.R7 U8.R10 U8.R11 U8.R13
copper on no net:
  other v2: -39.787,-46.999

## Polygon pours and split planes (outlines as drawn)
GND on Top Layer "Top Layer-No Net" (solid, remove dead copper, pour order 6): -41.084,-41.984 -41.227,-42.127 -41.513,-42.127 -41.554,-42.127 -41.887,-42.46 -41.947,-42.519 -41.947,-42.727 -41.964,-42.727 -42.054,-42.817 -42.024,-42.847 -42.024,-42.999 -42.024,-58.666 -40.89,-59.8 -40.751,-59.94 -39.642,-59.94 -1.304,-59.94 -0.042,-58.678 -0.042,-57.571 -0.042,-35.705 -0.344,-35.402 -0.344,-29.885 -0.051,-29.592 -0.051,-0.965 -0.089,-0.965 -1.074,0.02 -1.059,0.035 -1.051,0.035 -18.326,0.035 -18.329,0.038 -18.36,0.008 -18.554,0.008 -18.705,0.008 -19.251,-0.539 -19.333,-0.62 -19.333,-1.447 -19.333,-28.991 -19.329,-28.994 -22.009,-28.994 -22.009,-41.974 -22.034,-41.999 -22.052,-41.982 -41.084,-41.982
NetC22_1 on Top Layer "Top Layer-No Net" (solid, remove dead copper, pour order 4): -25.539,-48.253 -23.761,-48.253 -23.618,-48.11 -23.618,-45.745 -23.618,-44.732 -23.707,-44.644 -23.715,-44.635 -25.427,-44.635 -25.927,-44.635 -25.974,-44.683 -25.983,-44.691 -25.983,-45.484 -25.983,-45.523 -26.11,-45.65 -26.134,-45.674 -26.792,-45.674 -26.926,-45.674 -26.935,-45.682 -26.943,-45.691 -26.943,-46.373 -26.943,-46.396 -26.887,-46.453 -26.863,-46.476 -26.165,-46.476 -25.602,-46.476 -25.539,-46.539 -25.539,-48.238 -25.539,-48.229
NetL4_2 on Top Layer "Top Layer-No Net" (solid, remove dead copper, pour order 6): -26.663,-48.455 -25.694,-49.424 -25.694,-49.937 -25.694,-50.631 -25.408,-50.917 -25.389,-50.935 -23.936,-50.935 -23.926,-50.935 -23.669,-50.679 -23.659,-50.669 -23.659,-49.12 -23.659,-48.911 -23.831,-48.739 -23.905,-48.664 -25.826,-48.664 -26.054,-48.664 -26.454,-48.265 -26.634,-48.445 -26.663,-48.445
GND on MidLayer1 "Mid1 gnd" (solid, remove dead copper, pour order 6): -41.084,-41.984 -41.227,-42.127 -41.513,-42.127 -41.554,-42.127 -41.887,-42.46 -41.947,-42.519 -41.947,-42.727 -41.964,-42.727 -42.054,-42.817 -42.024,-42.847 -42.024,-42.999 -42.024,-58.666 -40.89,-59.8 -40.751,-59.94 -39.642,-59.94 -1.304,-59.94 -0.042,-58.678 -0.042,-57.571 -0.042,-35.705 -0.344,-35.402 -0.344,-29.885 -0.051,-29.592 -0.051,-0.965 -0.089,-0.965 -1.074,0.02 -1.059,0.035 -1.051,0.035 -18.326,0.035 -18.329,0.038 -18.36,0.008 -18.554,0.008 -18.705,0.008 -19.251,-0.539 -19.333,-0.62 -19.333,-1.447 -19.333,-28.991 -19.329,-28.994 -22.009,-28.994 -22.009,-41.974 -22.034,-41.999 -22.052,-41.982 -41.084,-41.982
GND on MidLayer2 "Mid2 gnd" (solid, remove dead copper, pour order 6): -41.084,-41.984 -41.227,-42.127 -41.513,-42.127 -41.554,-42.127 -41.887,-42.46 -41.947,-42.519 -41.947,-42.727 -41.964,-42.727 -42.054,-42.817 -42.024,-42.847 -42.024,-42.999 -42.024,-58.666 -40.89,-59.8 -40.751,-59.94 -39.642,-59.94 -1.304,-59.94 -0.042,-58.678 -0.042,-57.571 -0.042,-35.705 -0.344,-35.402 -0.344,-29.885 -0.051,-29.592 -0.051,-0.965 -0.089,-0.965 -1.074,0.02 -1.059,0.035 -1.051,0.035 -18.326,0.035 -18.329,0.038 -18.36,0.008 -18.554,0.008 -18.705,0.008 -19.251,-0.539 -19.333,-0.62 -19.333,-1.447 -19.333,-28.991 -19.329,-28.994 -22.009,-28.994 -22.009,-41.974 -22.034,-41.999 -22.052,-41.982 -41.084,-41.982
GND on Bottom Layer "bottom gnd" (solid, remove dead copper, pour order 6): -41.039,-42.007 -41.182,-42.15 -41.467,-42.15 -41.509,-42.15 -41.842,-42.483 -41.901,-42.542 -41.901,-42.75 -41.919,-42.75 -42.008,-42.84 -41.979,-42.87 -41.979,-43.022 -41.979,-58.69 -40.845,-59.823 -40.705,-59.963 -39.597,-59.963 -1.259,-59.963 0.004,-58.701 0.004,-57.594 0.004,-35.728 -0.299,-35.426 -0.299,-29.908 -0.005,-29.615 -0.005,-0.988 -0.043,-0.988 -1.028,-0.003 -1.013,0.012 -1.005,0.012 -18.281,0.012 -18.284,0.015 -18.314,-0.015 -18.508,-0.015 -18.659,-0.015 -19.206,-0.562 -19.287,-0.643 -19.287,-1.47 -19.287,-29.014 -19.284,-29.017 -21.964,-29.017 -21.964,-41.997 -21.989,-42.022 -22.006,-42.005 -41.038,-42.005

## Keep-outs
Keep-Out Layer:
  lines w0.1: -42.024,-42.999 -42.024,-57.937 ccw(c-40.024,-57.937) -40.024,-59.937 ; -42.021,-42.999 cw(c-41.021,-42.999) -41.021,-41.999 -22.034,-41.999 -22.022,-41.986 -22.022,-29.007 -22.009,-28.994 -19.329,-28.994 -19.329,-0.965 cw(c-18.329,-0.965) -18.329,0.035 ; -40.018,-59.944 -2.057,-59.944 ; -18.329,0.038 -1.051,0.038 ; -2.051,-59.944 ccw(c-2.051,-57.944) -0.051,-57.944 -0.051,-35.696 -0.344,-35.402 -0.344,-29.885 -0.051,-29.592 -0.051,-0.965 ccw(c-1.051,-0.965) -1.051,0.035

## Other copper
Top Layer:
  pour cut-out: -7.629,-8.161 -3.59,-8.161 -3.576,-8.175 -3.576,-9.832 -7.614,-9.832 -7.629,-9.817
  pour cut-out: -3.592,0.055 -3.595,0.052 -3.576,-9.832 -0.057,-9.83 -0.056,-9.412 -0.055,-9.411 -0.055,0.067 -3.58,0.067 -3.592,0.055
MidLayer1:
  pour cut-out: -7.629,-8.161 -3.59,-8.161 -3.576,-8.175 -3.576,-9.832 -7.614,-9.832 -7.629,-9.817
  pour cut-out: -3.575,0.055 -3.578,0.052 -3.576,-9.832 -0.05,-9.837 -0.039,-9.412 -0.038,-9.411 -0.038,0.067 -3.563,0.067 -3.575,0.055
MidLayer2:
  pour cut-out: -7.629,-8.161 -3.59,-8.161 -3.576,-8.175 -3.576,-9.832 -7.614,-9.832 -7.629,-9.817
  pour cut-out: -3.592,0.055 -3.595,0.052 -3.576,-9.832 -0.055,-9.831 -0.056,-9.412 -0.055,-9.411 -0.055,0.067 -3.58,0.067 -3.592,0.055
Bottom Layer:
  pour cut-out: -7.629,-8.161 -3.59,-8.161 -3.576,-8.175 -3.576,-9.832 -7.614,-9.832 -7.629,-9.817
  pour cut-out: -3.592,0.055 -3.595,0.052 -3.576,-9.832 -0.06,-9.837 -0.056,-9.412 -0.055,-9.411 -0.055,0.067 -3.58,0.067 -3.592,0.055

## Silkscreen, mask and mechanical layers (free items; w line width, h text height)
Top Overlay:
  lines w0.1: -16.841,-17.543 -16.584,-17.543 -16.042,-18.086 -14.671,-18.086 ; -13.743,-37.053 -13.221,-36.531 -13.189,-36.531
Bottom Overlay:
  lines w0.1: -18.705,-38.661 -18.4,-38.356 -18.4,-38.272 ; -18.624,-39.661 -18.106,-39.661 -17.682,-40.085 -17.682,-41.131

## Text inside footprints (layer, text, board x,y; h text height)
U8: Mechanical 13 "15" at -15.862,-41.313 h0.6 r270; Bottom Overlay "15" at -16.024,-41.266 h0.6 r270